# Altium PCB Thunder-Refix.PcbDoc
Units mil, origin at the board's own origin, x right, y up, seen from the top; angles counter-clockwise.
Board outline 1535.43 x 1299.21 mil, 2 copper layers (Top Layer, Bottom Layer), stack 42.17 mil thick; 66 components, 66 nets, 309 pads, 73 vias.
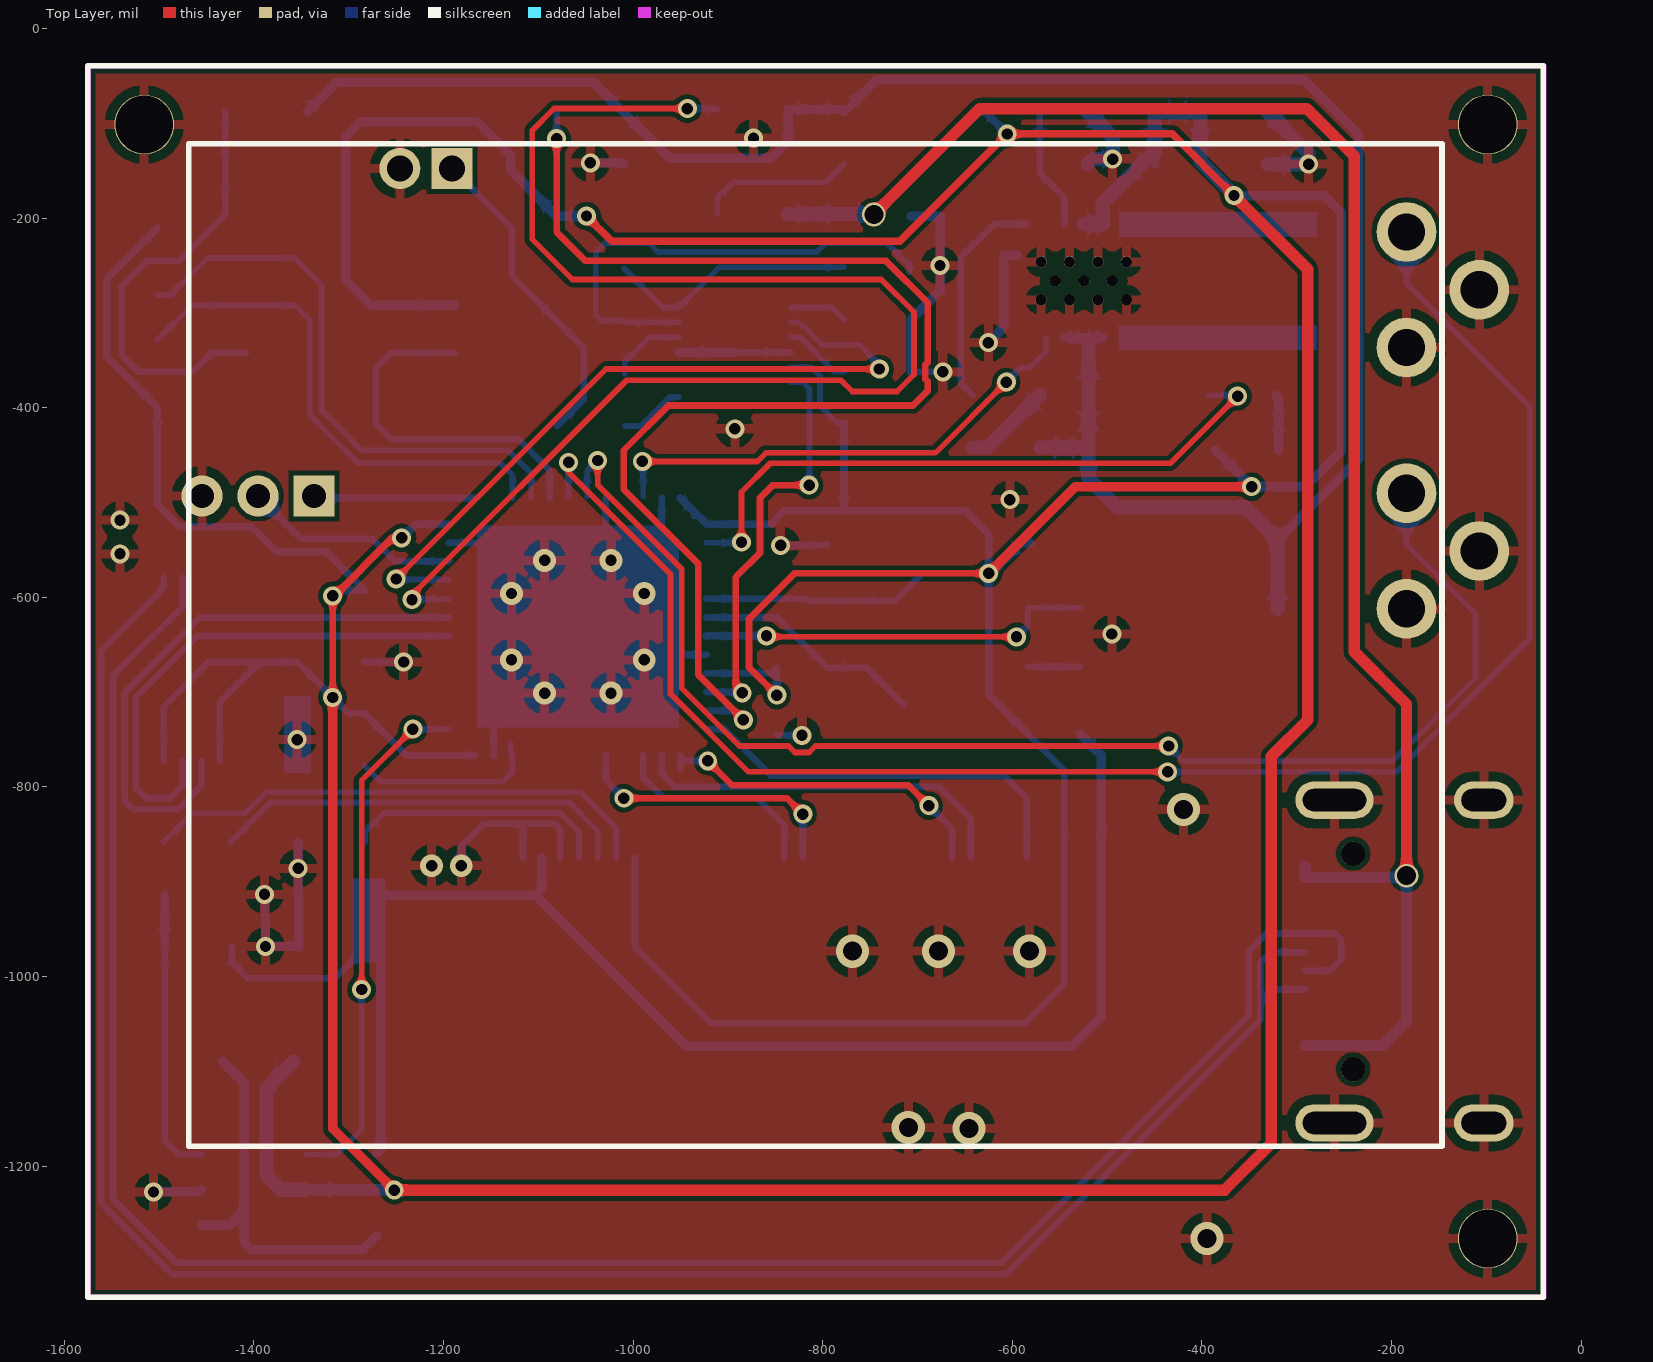
[diagram p0: Top Layer view]
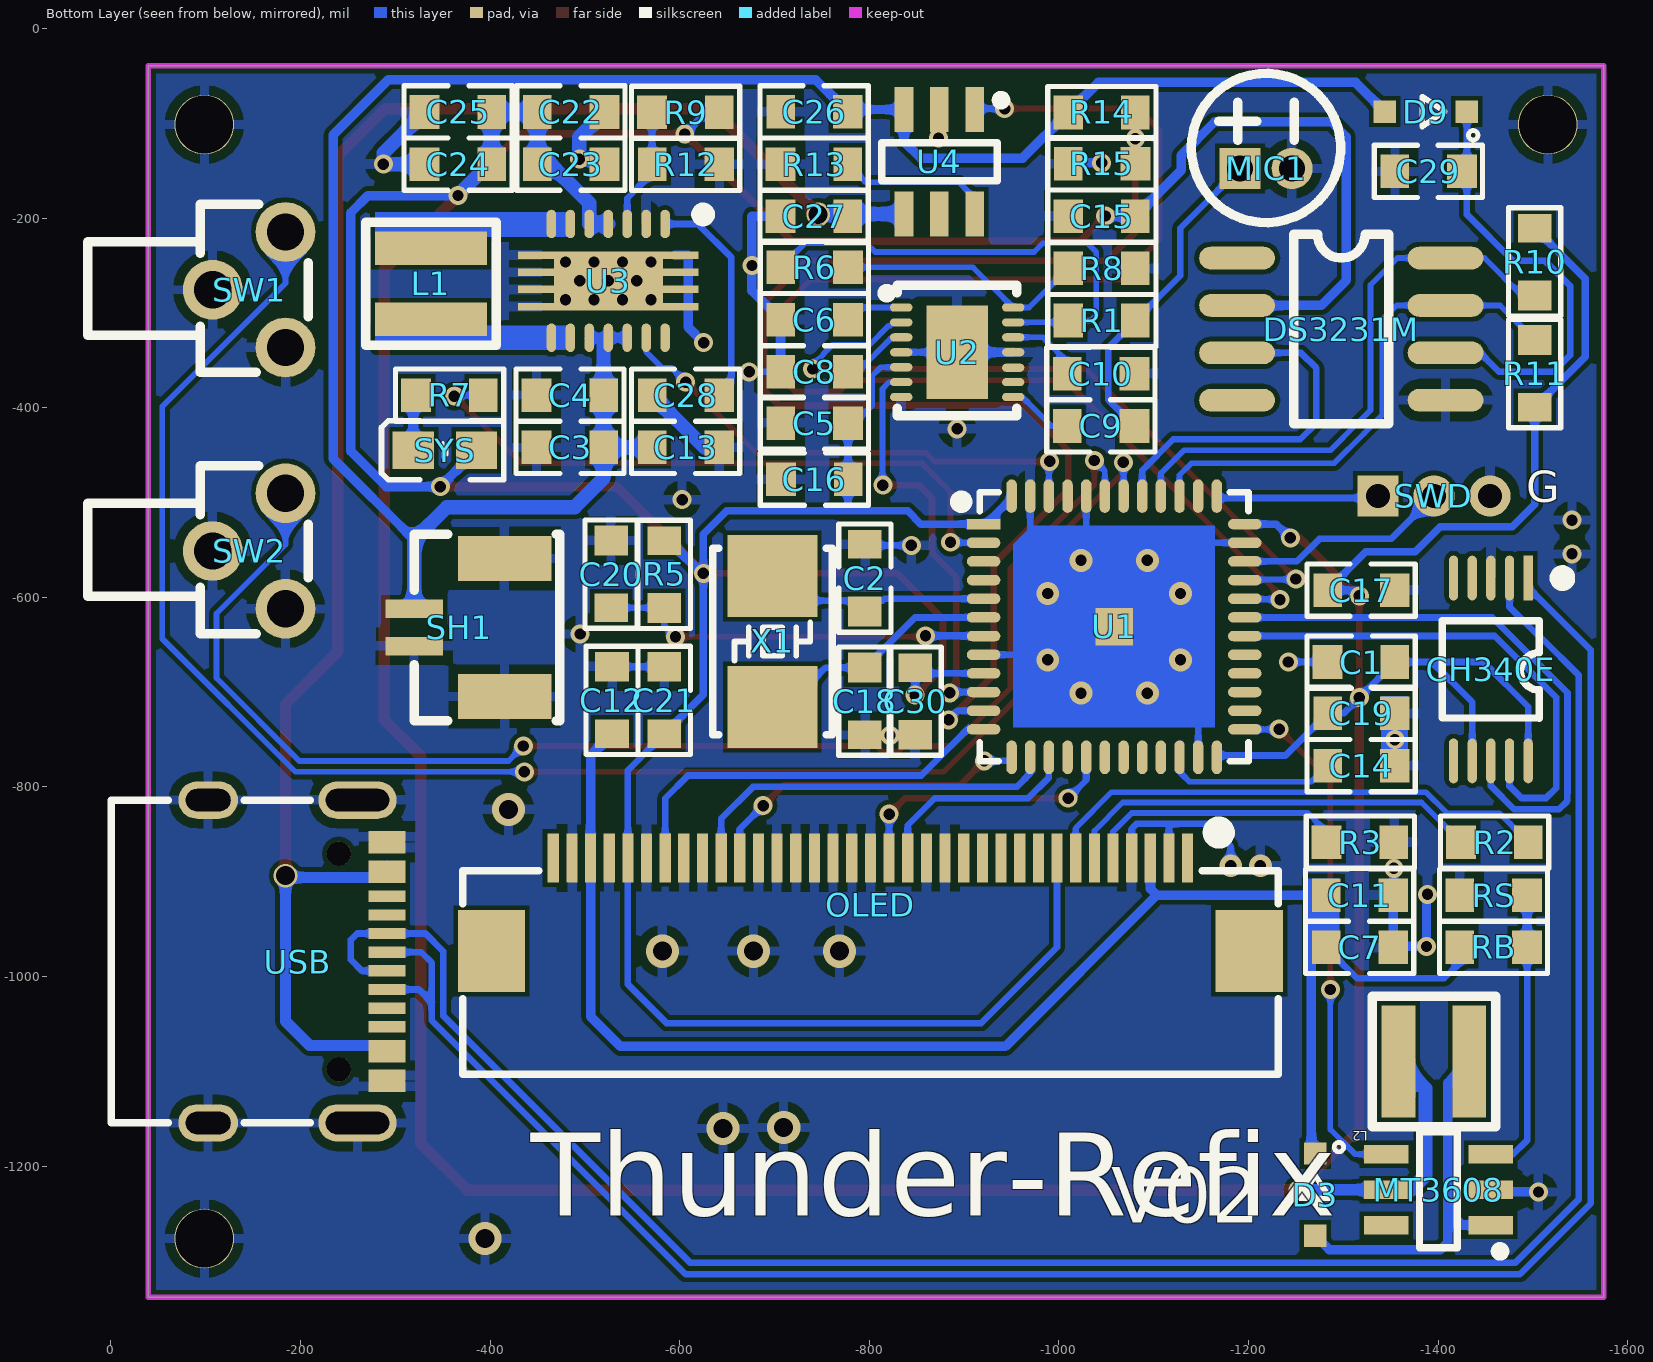
[diagram p1: Bottom Layer view, seen from below]
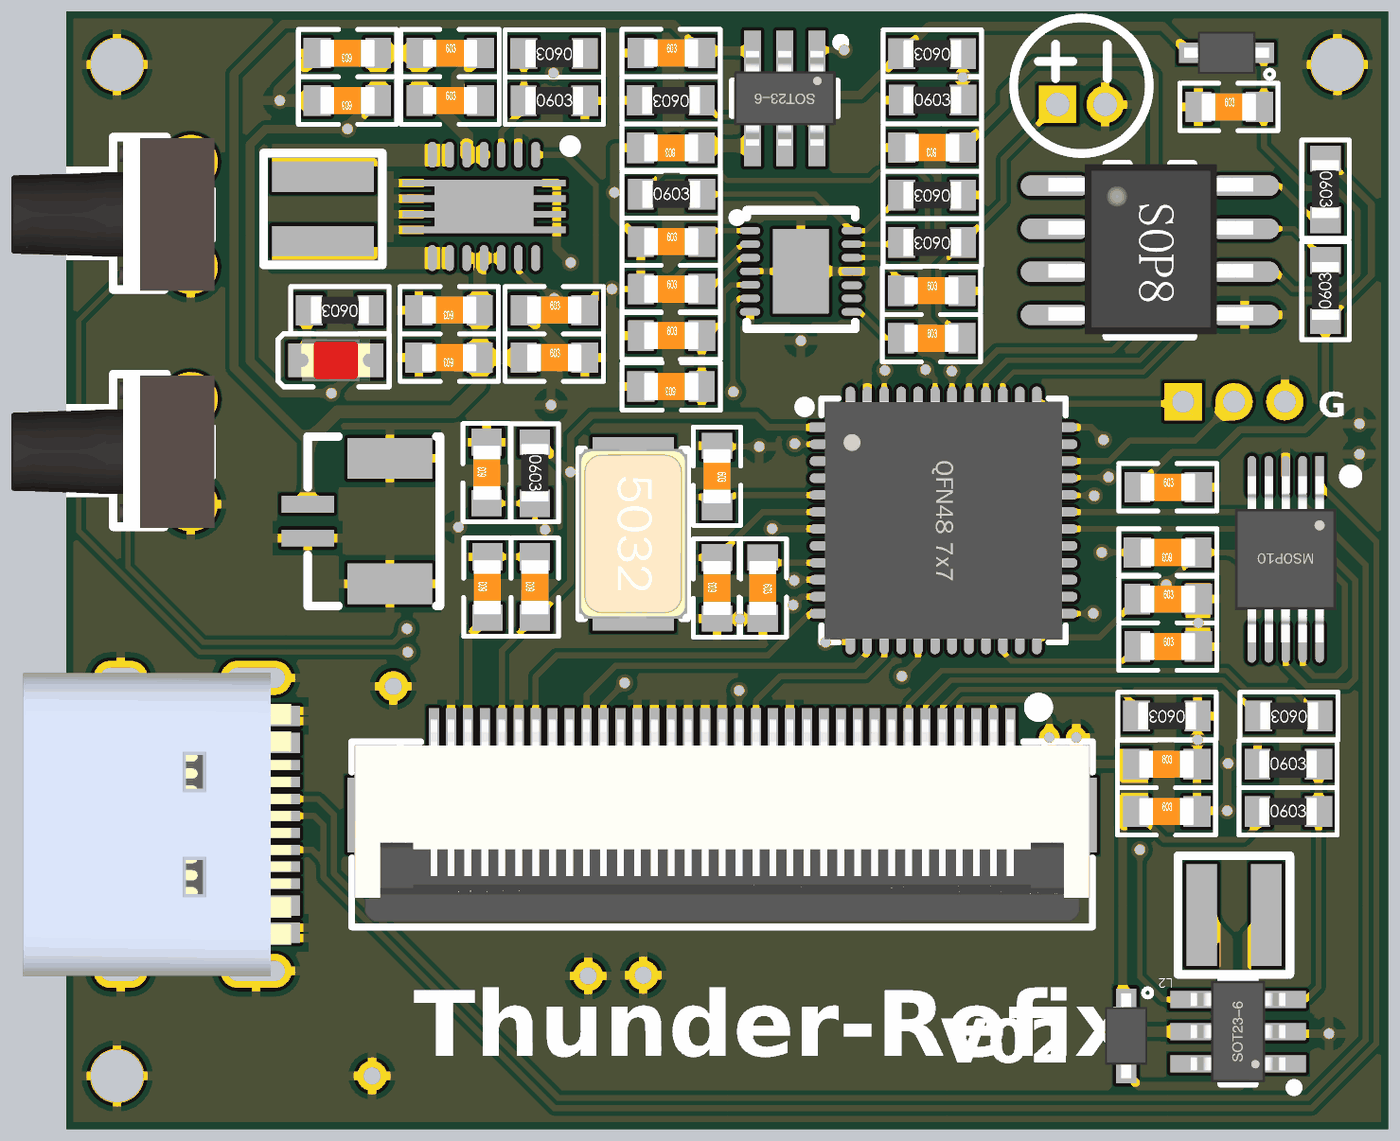
[diagram p2: 3D render of the assembled board from below, using the file's embedded part models]

## Layer stack, top to bottom
Top Solder: solder mask 0.4, Solder Resist, Dk 3.5
Top Layer: signal copper 1.4
Dielectric 1: dielectric 39.3701, FR-4, Dk 4.8
Bottom Layer: signal copper 1.4
Bottom Solder: solder mask 0.4, Solder Resist, Dk 3.5

## Board outline
-1574.8,-1338.58 -1574.8,-39.37 -39.37,-39.37 -39.37,-1338.58

## Design rules (kind name [scope] priority, off if disabled: settings)
Clearance [All] p1: gap=5 ignorepadtopadclearanceinfootprint=FALSE except(0: Arc-Hole Track-Hole SMDPad-Hole THPad-Hole Via-Hole Fill-Hole Poly-Hole Region-Hole Text-Hole)
ComponentClearance [All] p1 off: gap=10 collisioncheckmode=3 verticalgap=10 showdistances=FALSE
Height [All] p1 off: minheight=0 maxheight=1000 prefheight=500
PolygonConnect [All] p1: connectstyle=Relief reliefconductorwidth=10 reliefentries=4 polygonreliefangle="90 Angle" airgapwidth=10
RoutingVias [All] p1: holewidth=28 width=50 viastyle="Through Hole" minholewidth=28 minwidth=50 maxholewidth=28 maxwidth=50
SolderMaskExpansion [All] p1: expansion=4
Width [All] p1: maxlimit=40 minlimit=6 preferedwidth=10 bottomlayer_maxwidth=15 minimp=50.000000 maximp=50.000000 favimp=50.000000
28 further rules are at their usual default settings.

## Components (designator, comment, footprint, x,y, rotation, side; value= is the part's Value field where it differs from the comment)
C1 "0.1u" 0603C -1318.9,-668.31 r0 bottom
C2 "20P" 0603C -795.28,-579.72 r270 bottom
C3 "106" 0603c -484.25,-441.93 r0 bottom
C4 "106" 0603c -484.25,-386.81 r0 bottom
C5 "220nF" 0603c -742.12,-416.33 r180 bottom
C6 "100nF" 0603c -742.12,-307.08 r180 bottom
C7 "104" 0603C -1317.29,-969.23 r180 bottom
C8 "220nF" 0603c -742.12,-362.19 r180 bottom
C9 "100nF" 0603c -1044.29,-419.28 r180 bottom
C10 "470nF" 0603c -1044.29,-364.16 r180 bottom
C11 "4.7uF" 0603C -1317.29,-914.23 r180 bottom
C12 "4.7uF" 0603C -528.54,-708.66 r90 bottom
C13 "106" 0603c -606.3,-441.93 r180 bottom
C14 "4.7u" 0603C -1318.86,-777.56 r180 bottom
C15 "0.1u" 0603C -1045.28,-197.83 r0 bottom
C16 "104" 0603C -742.13,-475.39 r0 bottom
C17 "104" 0603C -1318.9,-592.52 r180 bottom
C18 "20P" 0603C -795.28,-709.65 r90 bottom
C19 "104" 0603C -1318.86,-722.44 r180 bottom
C20 "104" 0603C -527.7,-575.62 r90 bottom
C21 "105" 0603C -583.66,-708.66 r90 bottom
C22 "106" 0603C -485.24,-88.03 r180 bottom
C23 "22uf" 0603C -485.24,-143.14 r180 bottom
C24 "22uf" 0603C -366.14,-143.14 r0 bottom
C25 "104" 0603C -366.14,-88.03 r0 bottom
C26 "10uF" 0603c -741.87,-87.87 r180 bottom
C27 "1uF" 0603c -741.87,-198.11 r0 bottom
C28 "104" 0603c -606.3,-386.81 r180 bottom
C29 "106" 0603c -1389.76,-150.59 r180 bottom
C30 "104" 0603C -848.43,-709.65 r270 bottom
CH340E "CH340E" MSOP10_L -1455.71,-676.18 r0 bottom
D3 "SS14" SOD323_1N4148WS -1270.4,-1230.06 r270 bottom
D9 "SS14" SOD323_1N4148WS -1387.1,-87.6 r0 bottom
DS3231M "DS3231M" SOP8 -1188.98,-241.14 r180 bottom
L1 "1.5uH" IND-SMD_L3.0-W3.0_NR3010 -337.6,-269.13 r90 bottom
L2 "22uH" IND-SMD_L3.0-W3.0_NR3010 -1395.67,-1089.64 r0 bottom
MIC1 "GMI4015P-2C-56DB" MIC-TH_BD4.0-P2.00-D0.4-L-FD -1218.5,-147.64 r180 bottom
MT3608 "MT3608" SOT23-6N -1400.4,-1225.06 r90 bottom
OLED "FPC1.0-35P" "1.69 OLED" -801.18,-924.21 r0 top
R1 "2.2K" 0603r -1045.27,-308.06 r0 bottom
R2 "10K" 0603R -1459.65,-858.27 r0 bottom
R3 "68K" 0603R -1317.91,-858.27 r0 bottom
R5 "10K" 0603R -583.66,-575.79 r270 bottom
R6 "150K" 0603r -742.12,-251.96 r180 bottom
R7 "3K" 0603R -357.28,-386.81 r0 bottom
R8 "100K" 0603r -1045.27,-252.94 r0 bottom
R9 "1M" 0603R -606.3,-88.39 r0 bottom
R10 "4.7K" 0603R -1501.97,-246.06 r270 bottom
R11 "4.7K" 0603R -1501.97,-364.17 r90 bottom
R12 "180K" 0603r -606.3,-143.32 r180 bottom
R13 "1.5K" 0603r -741.87,-142.99 r0 bottom
R14 "50K" 0603r -1045.28,-88.58 r0 bottom
R15 "50K" 0603r -1045.26,-142.67 r180 bottom
RB "150K" 0603R -1458.51,-969.23 r180 bottom
RS "6.8K" 0603R -1458.51,-914.23 r180 bottom
SH1 "SH1.0-2P" SH1.0-2P -398.62,-631.89 r90 bottom
SW1 "K2-1109DE-H4SW-04" KEY-TH_K2-1109DE-CXXW-XX -145.67,-275.59 r270 bottom
SW2 "K2-1109DE-H4SW-04" KEY-TH_K2-1109DE-CXXW-XX -145.67,-551.18 r270 bottom
SWD "HDR-1X3" ZH1.5-LI-3P -1395.67,-493.11 r180 bottom
SYS "粉色" 0603LED -352.36,-444.88 r0 bottom
U1 "STM32F401CCU6" "QFN48 7X7_N" -1058.35,-631.08 r270 bottom
U2 "MAX9814ETD+T" TDFN-14_L3.0-W3.0-P0.40-BL-EP -892.71,-341.53 r270 bottom
U3 "TPS63020" TPS63020 -524.61,-266.17 r0 bottom
U4 "TP4059" SOT23-6N -873.95,-140.55 r0 bottom
USB "Type-C" Type-C -196.85,-984.25 r0 bottom
X1 "1.6.1.01.005.001" "OSC 5032-2P" -697.83,-646.65 r270 bottom value=8MHz

## Footprints (in the part's own frame and the unit in brackets; to place one, negate y for a bottom-side part, rotate by r counter-clockwise, add the part's x,y. Pads: shape width x height; smd on the part's side, far side on the other; paste and mask are expansions set on the pad)
"1.69 OLED" [mm]
  rect 1.8x2.2 smd far side: 0(-10.15,-1.248) 0(10.15,-1.248)
  rect 0.3x1.3 smd far side: 1(-8.5,1.248) 2(-8,1.248) 3(-7.5,1.248) 4(-7,1.248) 5(-6.5,1.248) 6(-6,1.248) 7(-5.5,1.248) 8(-5,1.248) 9(-4.5,1.248) 10(-4,1.248) 11(-3.5,1.248) 12(-3,1.248) 13(-2.5,1.248) 14(-2,1.248) 15(-1.5,1.248) 16(-1,1.248) 17(-0.5,1.248) 18(0,1.248) 19(0.5,1.248) 20(1,1.248) 21(1.5,1.248) 22(2,1.248) 23(2.5,1.248) 24(3,1.248) 25(3.5,1.248) 26(4,1.248) 27(4.5,1.248) 28(5,1.248) 29(5.5,1.248) 30(6,1.248) 31(6.5,1.248) 32(7,1.248) 33(7.5,1.248) 34(8,1.248) 35(8.5,1.248)
  silkscreen extent -19.66,-10.52 19.34,22.48, body extent -10.85,-4.4 10.85,1.6, height 2
0603C [mm]
  rect 0.762x0.9 smd: 1(-0.9,0)
  rect 0.8x0.9 smd: 2(0.9,0)
  silkscreen extent -1.45,-0.7 1.45,0.7, body extent -0.8,-0.4 0.8,0.4, height 0.3
0603c [mm]
  rect 0.762x0.9 smd: 1(-0.9,0)
  rect 0.8x0.9 smd: 2(0.9,0)
  silkscreen extent -1.45,-0.7 1.45,0.7, body extent -0.8,-0.4 0.8,0.4, height 0.3
0603LED [mm]
  rect 1.1x1 smd: 1(-0.85,0) 2(0.85,0)
  silkscreen extent -1.57,-0.79 1.7,0.79, body extent -1.01,-0.62 1.01,0.63, height 1.1
0603r [mm]
  rect 0.762x0.9 smd: 1(-0.9,0)
  rect 0.8x0.9 smd: 2(0.9,0)
  silkscreen extent -1.45,-0.7 1.45,0.7, body extent -0.85,-0.4 0.85,0.4, height 0.56
0603R [mm]
  rect 0.762x0.9 smd: 1(-0.9,0)
  rect 0.8x0.9 smd: 2(0.9,0)
  silkscreen extent -1.45,-0.7 1.45,0.7, body extent -0.85,-0.4 0.85,0.4, height 0.56
IND-SMD_L3.0-W3.0_NR3010 [mm]
  rect 0.9x3 smd: 1(-0.95,0) 2(0.95,0)
  silkscreen extent -1.65,-1.75 1.65,1.75
KEY-TH_K2-1109DE-CXXW-XX [mm]
  round 1.6 hole 1: 1(-1.549,0.975) 2(1.549,0.975) 3(0,-0.975)
  silkscreen extent -2.29,-4.32 2.21,1.59, body extent -2.25,-4.32 2.25,1.68, height 4.59
MIC-TH_BD4.0-P2.00-D0.4-L-FD [mm]
  rect 1.1x1.1 hole 0.7: 1(-0.7,0)
  round 1.1 hole 0.7: 2(0.7,0)
  silkscreen extent -2,-1.45 2,2.55
MSOP10_L [mm] "塑封体长3mm，宽3mm，脚距0.5"
  rect 0.25x1.2 smd: 1(-1,-2.45)
  oval 0.25x1.2 smd: 2(-0.5,-2.45) 3(0,-2.45) 4(0.5,-2.45) 5(1,-2.45) 6(1,2.45) 7(0.5,2.45) 8(0,2.45) 9(-0.5,2.45) 10(-1,2.45)
  silkscreen extent -2.07,-2.6 1.3,1.3, body extent -1.5,-2.45 1.5,2.45, height 0.95
"OSC 5032-2P" [mm] "5mm*3.2mm*0.8mm(长*宽*高)"
  rect 2.2x2.4 smd: 1(-1.75,0) 2(1.75,0)
  silkscreen extent -2.5,-1.6 2.5,1.6, body extent -2.5,-1.6 2.5,1.6, height 0.86
"QFN48 7X7_N" [mm] "48脚，长x宽x高：7x7x1mm，脚距：0.5mm"
  rect 0.28x0.9 smd: 1(-2.75,-3.5)
  oval 0.28x0.9 smd: 2(-2.25,-3.5) 3(-1.75,-3.5) 4(-1.25,-3.5) 5(-0.75,-3.5) 6(-0.25,-3.5) 7(0.25,-3.5) 8(0.75,-3.5) 9(1.25,-3.5) 10(1.75,-3.5) 11(2.25,-3.5) 12(2.75,-3.5) 25(2.75,3.5) 26(2.25,3.5) 27(1.75,3.5) 28(1.25,3.5) 29(0.75,3.5) 30(0.25,3.5) 31(-0.25,3.5) 32(-0.75,3.5) 33(-1.25,3.5) 34(-1.75,3.5) 35(-2.25,3.5) 36(-2.75,3.5)
  oval 0.9x0.28 smd: 13(3.5,-2.75) 14(3.5,-2.25) 15(3.5,-1.75) 16(3.5,-1.25) 17(3.5,-0.75) 18(3.5,-0.25) 19(3.5,0.25) 20(3.5,0.75) 21(3.5,1.25) 22(3.5,1.75) 23(3.5,2.25) 24(3.5,2.75) 37(-3.5,2.75) 38(-3.5,2.25) 39(-3.5,1.75) 40(-3.5,1.25) 41(-3.5,0.75) 42(-3.5,0.25) 43(-3.5,-0.25) 44(-3.5,-0.75) 45(-3.5,-1.25) 46(-3.5,-1.75) 47(-3.5,-2.25) 48(-3.5,-2.75)
  rect 1x1 smd mask+0.051: 49(0,0)
  Top Layer region: -2.7,2.7 2.7,2.7 2.7,-2.7 -2.214,-2.7 -2.7,-2.214
  silkscreen extent -3.6,-4.25 3.6,3.6, body extent -3.51,-3.51 3.51,3.51, height 0.95
SH1.0-2P [mm]
  rect 0.5x1.55 smd: 1(0.5,2) 2(-0.5,2)
  rect 1.2x2.5 smd: GND(-1.85,-0.425) GND(1.85,-0.425)
  silkscreen extent -2.5,-1.9 2.5,2
SOD323_1N4148WS [mm]
  rect 0.6x0.6 smd: A(1.1,0) C(-1.1,0)
  silkscreen extent -1.4,-0.4 0.1,0.76, body extent -1.25,-0.62 1.25,0.63, height 0.9
SOP8 [mil]
  oval 80x24 smd: 1(-1,-1) 2(-1,-51) 3(-1,-101) 4(-1,-151) 5(219,-151) 6(219,-101) 7(219,-51) 8(219,-1)
  silkscreen extent 59,-176 159,24, body extent -9,-174 229,24, height 63
SOT23-6N [mm] "3x1.6x1.1mm(长宽高)"
  rect 0.5x1.2 smd: 1(-0.95,-1.4) 2(0,-1.4) 3(0.95,-1.4) 4(0.95,1.4) 5(0,1.4) 6(-0.95,1.4)
  silkscreen extent -1.78,-1.78 1.55,0.51, body extent -1.5,-1.4 1.5,1.4, height 1.15
TDFN-14_L3.0-W3.0-P0.40-BL-EP [mm]
  oval 0.22x0.6 smd: 1(-1.2,-1.5) 2(-0.8,-1.5) 3(-0.4,-1.5) 4(0.001,-1.5) 5(0.4,-1.5) 6(0.8,-1.5) 7(1.2,-1.5) 8(1.2,1.5) 9(0.8,1.5) 10(0.416,1.5) 11(0,1.5) 12(-0.4,1.5) 13(-0.8,1.5) 14(-1.2,1.5)
  rect 2.5x1.65 smd: 15(0,0)
  silkscreen extent -1.8,-2.01 1.7,1.6
TPS63020 [mil] "High Efficiency Single Inductor Buck-Boost Converter With 4-A Switches"
  oval 10x30 smd: 1(-60,-60) 2(-40,-60) 3(-20,-60) 4(0,-60) 5(20,-60) 6(40,-60) 7(60,-60) 8(60,60) 9(40,60) 10(20,60) 11(0,60) 12(-20,60) 13(-40,60) 14(-60,60)
  rect 50x7.87 smd: 15(-70,-27.17) 15(-70,-9.06) 15(-70,9.06) 15(-70,27.17) 15(70,-27.17) 15(70,-9.06) 15(70,9.06) 15(70,27.17)
  round 11.81 hole 11.81: 15(-45,-20) 15(-45,20) 15(-30,0) 15(-15,-20) 15(-15,20) 15(0,0) 15(15,-20) 15(15,20) 15(30,0) 15(45,-20) 15(45,20)
  rect 115x62.2 smd: 15(0,0)
  silkscreen extent -105,-75 -95,-65, body extent -85,-65 85,65, height 30
Type-C [mm]
  round 0.65 hole 0.65: 0(-1.105,-2.89) 0(-1.105,2.89)
  oval 1.6x1 hole 0.6 slot 1.2 at 0 deg: 1(2.395,4.325) 2(2.395,-4.325)
  oval 2.1x1 hole 0.6 slot 1.7 at 0 deg: 3(-1.605,-4.325) 4(-1.605,4.325)
  rect 1x0.3 smd: A1(-2.395,-3.35) A4(-2.395,-2.55) A5(-2.395,-1.25) A6(-2.395,-0.25) A7(-2.395,0.25) A8(-2.395,1.25) A9(-2.395,2.55) A12(-2.395,3.35) B1(-2.395,3.05) B4(-2.395,2.25) B5(-2.395,1.75) B6(-2.395,0.75) B7(-2.395,-0.75) B8(-2.395,-1.75) B9(-2.395,-2.25) B12(-2.395,-3.05)
  silkscreen extent -0.34,-4.33 4.99,4.33, body extent -2.63,-4.47 5.27,4.47, height 3.21
ZH1.5-LI-3P [mm] "长：6.0，宽：3.65，高：4.55"
  rect 1.1x1.1 hole 0.65: 1(-1.5,0)
  round 1.1 hole 0.65: 2(0,0) 3(1.5,0)

## Part data
C2 C7 C11 C12 C16 C17 C18 C19 C20 C21 C30: library part 电容
C3 C4 C13 C22 C23 C24 C25 C28 C29: library part cap, U=50V, 参数=Cap,0805,X7R,104K,50V,125C,
  C3 C4 C13 C22 C29: C=106
  C23 C24: C=22uf
  C25 C28: C=104
C5 C8: BOM_Manufacturer="Murata Electronics", BOM_Manufacturer Part=GCJ21BR71H224KA01L, BOM_Supplier=LCSC, BOM_Supplier Part=C354366, Contributor=LCSC, nameAlias=Capacitance, spicePre=C, spiceSymbolName=GCJ21BR71H224KA01L
C6 C9: BOM_Manufacturer=AVX, BOM_Manufacturer Part=FS055C104K4Z2A, BOM_Supplier=LCSC, BOM_Supplier Part=C444732, Contributor=LCSC, nameAlias=Capacitance, spicePre=C, spiceSymbolName=FS055C104K4Z2A
C10: BOM_LCSC Assembly=Yes, BOM_Manufacturer=SAMSUNG, BOM_Manufacturer Part=CL21B474KBFNNNE, BOM_Supplier=LCSC, BOM_Supplier Part=C13967, nameAlias=Capacitance, SMT Type=Basic, spicePre=C, spiceSymbolName=CL21B474KBFNNNE
C26: BOM_Manufacturer="Murata Electronics", BOM_Manufacturer Part=GRM21BB31C106KE15L, BOM_Supplier=LCSC, BOM_Supplier Part=C162317, Contributor=LCSC, nameAlias=Capacitance, spicePre=C, spiceSymbolName=GRM21BB31C106KE15L
C27: BOM_Manufacturer="Taiyo Yuden", BOM_Manufacturer Part=UMK212BJ105KG-T, BOM_Supplier=LCSC, BOM_Supplier Part=C319195, Contributor=LCSC, nameAlias=Capacitance, spicePre=C, spiceSymbolName=UMK212BJ105KG-T
D3 D9: library part 1N4148WS, "Diode Switching 75V 0.3A 2-Pin SOD-323 T/R", Package="S-0 Good-Ark", Availability=Unavailable, MF="ON Semiconductor", MP=1N4148WS, Price=None, SnapEDA_Link=https://www.snapeda.com/parts/1N4148WS/ON%20Semiconductor/view-part/?ref=snap
L1: library part "Inductor Iron 2", _Current=10A, _Accuracy=20%, _Comma=,, _Footprint=1040, _Name=IND, _Specification=IND,1040,1.5uH,10A,20%, _Value=1.5uH
L2: library part L-CDRH, "功率屏蔽电感", 学习资源=www.o
MIC1: BOM_Manufacturer=INGHAi, BOM_Manufacturer Part=GMI4015P-2C-56db, BOM_Supplier=LCSC, BOM_Supplier Part=C233299, Contributor=LCSC, spicePre=M, spiceSymbolName=GMI4015P-2C-56DB
MT3608: library part SX1308, "可调升压芯片", 学习资源=www.o
OLED: library part FPC-35P, "FPC连接器", BOM名称=FP, 学习资源=www.o
R1: BOM_Manufacturer=Tyohm, BOM_Manufacturer Part=RMC08052.2K1%N, BOM_Supplier=LCSC, BOM_Supplier Part=C325769, Contributor=LCSC, nameAlias="Resistance (Ohms)", spicePre=R, spiceSymbolName=RMC08052.2K1%N
R2 R3 R5 R7 R10 R11 RB RS: library part R, "贴片电阻", 学习资源=www.o
R6: BOM_Manufacturer=Tyohm, BOM_Manufacturer Part=RMC0805150K1%N, BOM_Supplier=LCSC, BOM_Supplier Part=C325765, Contributor=LCSC, nameAlias="Resistance (Ohms)", spicePre=R, spiceSymbolName=RMC0805150K1%N
R8: BOM_LCSC Assembly=Yes, BOM_Manufacturer="Stackpole Elec", BOM_Manufacturer Part=RTAN0805BKE100K, BOM_Supplier=LCSC, BOM_Supplier Part=C346756, Contributor=LCSC, nameAlias="Resistance (Ohms)", SMT Type=Extend, spicePre=R, spiceSymbolName=RTAN0805BKE100K
R9 R12: library part Res, P=1/8W, 参数=Res,0805,0R,±1%,1/8W,100pp
  R9: R=1M
  R12: R=180K
R13: BOM_Manufacturer=YAGEO, BOM_Manufacturer Part=RC0603FR-071K5L, BOM_Supplier=LCSC, BOM_Supplier Part=C114668, nameAlias="Resistance (Ohms)", spicePre=R, spiceSymbolName=RC0603FR-071K5L
R14 R15: library part 1.5K, BOM_Manufacturer=YAGEO, BOM_Manufacturer Part=RC0603FR-071K5L, BOM_Supplier=LCSC, BOM_Supplier Part=C114668, nameAlias="Resistance (Ohms)", spicePre=R, spiceSymbolName=RC0603FR-071K5L
SW1 SW2: BOM_Manufacturer=º«¹, BOM_Manufacturer Part=K2-1109DE-H4SW-04, BOM_Supplier=LCSC, BOM_Supplier Part=C961730, Contributor=LCSC, spicePre=S, spiceSymbolName=K2-1109DE-H4SW-04
SWD: library part "Header 3", "3P接插件", BOM名称=3, 学习资源=www.o
SYS: library part LED-F234, "方形LED", 学习资源=www.o
U1: BOM_Manufacturer=ST, BOM_Manufacturer Part=STM32F401CCU6, BOM_Supplier=LCSC, BOM_Supplier Part=C79861, spicePre=U, spiceSymbolName=STM32F401CCU6, subpart_no=1, tags=STM32
U2: BOM_Manufacturer=MAXIM, BOM_Manufacturer Part=MAX9814ETD+T, BOM_Supplier=LCSC, BOM_Supplier Part=C41714, image=//image.lceda.cn/szlcsc/C41714.jpg, spicePre=U, spiceSymbolName=MAX9814ETD+T
U4: BOM_LCSC Assembly=Yes, BOM_Manufacturer=TOPPOWER, BOM_Manufacturer Part=TP4059, BOM_Supplier=LCSC, BOM_Supplier Part=C80364, SMT Type=Extend, spicePre=U, spiceSymbolName=TP4059
X1: "XTAL,8MHz,±20PPM,12.6*4.5", K3 No.=1.6.1.01.005.001
C1 C14 C15: Contributor=LCEDA_Lib, nameAlias=Value(F), spicePre=C, spiceSymbolName=C_0402_US
SH1: Contributor=perry2867, spicePre=J, spiceSymbolName=SH1.0-2P

## Free pads (board coordinates)
  round 63 hole 61: 0(-1515.75,-101.38) 0(-98.43,-101.38) 0(-98.43,-1276.57)

## Via types
v1: diameter 20, hole 12, Top Layer to Bottom Layer, tented both sides, 54 vias
v2: diameter 24, hole 12, Top Layer to Bottom Layer, 10 vias
v3: diameter 35, hole 20, Top Layer to Bottom Layer, 7 vias
v4: diameter 25, hole 20, Top Layer to Bottom Layer, 2 vias

## Nets (pads, with @x,y where several pads share a name; then routed paths per layer and width w, separated by ;. In a path a pad name is that pad's centre, name@x,y a point inside that pad or via, vN(x,y) a via of type N, cw(c..) or ccw(c..) an arc to the next point about the centre after c; other vN are vias at no path point)
3.3: C1.1 C5.2 C15.1 C16.1 C17.1 C19.1 C21.1 C22.1 C23.1 C24.1 C25.1 C30.1 CH340E.7 CH340E.10 DS3231M.2 L2.2 MT3608.5 OLED.8 OLED.31 R5.1 R9.1 R10.1 R11.1 SYS.1 U1.1 U1.9 U1.24 U1.36 U1.48 U2.5 U3.4 U3.5 | length 9028.5
  Top Layer w7: v1(-1316.93,-705.71) -1316.93,-600.39 v1(-1316.93,-598.43) ; v1(-848.43,-703.26) -877.75,-673.93 -877.75,-622.83 -829.72,-574.8 v1(-625,-574.8)
  Top Layer w8: v1@-1316.93,-600.39 -1253.94,-537.4 v1(-1244.09,-537.4) ; v1(-1049.21,-197.83) -1022.64,-224.41 -718.5,-224.41 v1(-605.31,-111.22) -431.1,-111.22 v1(-366.14,-176.18)
  Top Layer w10: v1(-1316.93,-705.71) -1316.93,-1160.43 v1(-1251.97,-1225.39) ; v1(-625,-574.8) -533.46,-483.27 v1(-347.44,-483.27)
  Top Layer w12: v1(-1251.97,-1225.39) -375.98,-1225.39 -326.77,-1176.18 -326.77,-767.72 -288.39,-729.33 -288.39,-253.94 v1(-366.14,-176.18)
  Bottom Layer w6: U2.5 -812,-357.28 -802.85,-366.43 -802.85,-397.93 -784.44,-416.33 C5.2
  Bottom Layer w7: CH340E.10 -1495.08,-715.55 -1447.83,-668.31 -1393.7,-668.31 ; CH340E.7 -1436.02,-710.63 -1393.7,-668.31 ; U1.24@-1166.65,-766.88 -1238.98,-766.88 C19.1 -1300.2,-722.44 C1.1 -1393.7,-668.31 ; OLED.8 -998.03,-969.23 -918.05,-1049.21 -586.08,-1049.21 -545.28,-1008.41 OLED.31 -545.28,-782.48 C21.1 ; U1.9@-922.55,-680.28 -854.49,-680.28 C30.1 v1(-848.43,-703.26)
  Bottom Layer w8: R10.1 -1555.12,-263.78 -1555.12,-346.46 R11.1 -1501.97,-501.78 -1478.16,-525.59 -1402.56,-525.59 -1375.98,-552.17 -1323.82,-552.17 C17.1 -1311.02,-592.52 v1(-1316.93,-598.43) ; v1(-1244.09,-537.4) -1229.47,-522.78 U1.36@-1194.15,-522.78 ; U1.48@-950.05,-495.28 -922.55,-522.78 -854.47,-522.78 -840.55,-508.86 -649.61,-508.86 -625,-533.46 v1(-625,-574.8) -625,-702.76 C21.1 ; -777.56,-504.12 C16.1 C5.2 ; R9.1 -628.15,-88.39 v1(-605.31,-111.22)
  Bottom Layer w10: DS3231M.2 -1276.76,-292.14 -1303.15,-265.75 -1303.15,-114.17 -1287.4,-98.43 -1164.37,-98.43 -1128.94,-133.86 -1128.94,-149.61 C15.1 v1(-1049.21,-197.83) ; v1(-625,-574.8) -624.02,-575.79 -590.55,-542.32 -581.69,-542.32 R5.1 ; C23.1 C23.1@-449.8,-129.36 ; C24.1 C24.1@-401.57,-140.19 ; SYS.1 v1(-347.44,-483.27) -290.35,-483.27 -252.95,-445.87 -252.95,-194.32 -271.1,-176.18 v1@-365.58,-176.18
  Bottom Layer w12: MT3608.5 v1@-1251.97,-1225.06
  Bottom Layer w15: L2.2 -1386.81,-1118.18 -1386.81,-1209.65 -1371.4,-1225.06 MT3608.5 ; U3.4 U3.5 -504.61,-184.17 -449.8,-129.36 C22.1 C25.1 -401.57,-140.19 v1@-365.58,-176.18
5V: C27.1 U4.4 USB.A4 USB.A9 USB.B4 USB.B9 | length 1837.5
  Top Layer w12: v4(-746.06,-196.17) -634.34,-84.45 -289.37,-84.45 -239.17,-134.65 -239.17,-657.48 -184.07,-712.58 v4(-184.07,-893.7)
  Bottom Layer w12: USB.B4 -209.65,-1072.83 -184.07,-1047.26 v4(-184.07,-893.7) -186.04,-895.67 USB.B9 USB.A4
  Bottom Layer w15: U4.4 -746.57,-195.67 v4(-746.06,-196.17)
AR: U2.9
BAT: C3.1 C4.1 C13.1 C26.2 D9.A R14.2 SH1.1 U3.10 U3.11 U3.12 U4.3 | length 2239
  Bottom Layer w10: D9.A -1313,-56.81 -1041.61,-56.81 R14.2 -961.71,-136.71 -854.23,-136.71 -836.55,-119.03 U4.3 -779.74,-85.43 C26.2 -743.56,-54.13 -292.32,-54.13 -234.25,-112.2 -234.25,-453.74 -319.88,-539.37 ; U3.12 U3.11 ; U3.11@-519.68,-331.1 U3.11 ; U3.10 U3.11
  Bottom Layer w15: C13.1 C3.1 ; U3.11@-519.68,-331.1 C4.1 C3.1 ; SH1.1 -319.88,-539.37 -354.33,-504.92 -489.17,-504.92 -519.68,-474.41 C3.1
BATDET: R14.1 R15.2 U1.11 | length 1396.6
  Top Layer w7: v1@-1080.71,-114.17 v1(-1080.71,-116.14) -1080.71,-214.57 -1050.2,-245.08 -733.27,-245.08 -688.98,-289.37 -688.98,-351.77 -691.76,-354.56 -691.76,-369.89 -688.98,-372.67 -688.98,-381.89 -704.72,-397.64 -962.6,-397.64 -1009.84,-444.88 -1009.84,-486.22 -931.1,-564.96 -931.1,-681.88 v1(-883.65,-729.33)
  Bottom Layer w7: R15.2 R14.1 ; U1.11 -893.32,-719.66 v1(-883.65,-729.33)
CHGLED: U1.32 U4.1 | length 1501.7
  Top Layer w6: v1(-1233.3,-602.49) -1233.3,-597.61 -1006.76,-371.06 -780.51,-371.06 -768.7,-382.87 -721.46,-382.87 -703.74,-365.16 -703.74,-299.21 -738.19,-264.76 -1063.98,-264.76 -1106.3,-222.44 -1106.3,-107.28 -1083.46,-84.45 v1(-942.85,-84.45)
  Bottom Layer w6: v1(-1233.3,-602.49) -1232.84,-602.04 -1194.6,-602.04 U1.32@-1194.15,-601.58
  Bottom Layer w7: v1@-941.86,-85.43 v1(-942.85,-84.45) -912.34,-84.45 U4.1
D+: CH340E.1 USB.A6 USB.B6 | length 2217.1
  Bottom Layer w7: CH340E.1 -1495.08,-589.57 -1524.61,-619.09 -1561.02,-655.51 -1561.02,-1239.41 -1486.27,-1314.17 -606.25,-1314.17 -338.39,-1046.31 -338.39,-1027.37 ; USB.B6 -324.8,-1013.78 -338.39,-1027.37 ; USB.A6 -327.38,-974.41 -338.39,-985.43 -338.39,-1027.37
D-: CH340E.2 USB.A7 USB.B7 | length 2259.9
  Bottom Layer w7: CH340E.2 -1475.39,-610.33 -1507.78,-642.72 -1508.86,-642.72 -1548.61,-682.46 -1548.61,-1234.86 -1481.3,-1302.17 -611.22,-1302.17 -350.39,-1041.34 -350.39,-973.43 -331.69,-954.72 USB.B7 -259.84,-954.72 -252.95,-961.61 -252.95,-982.28 -264.76,-994.09 USB.A7
DSINT: DS3231M.3 U1.41 | length 382
  Bottom Layer w7: DS3231M.3 -1255.53,-342.14 -1271.65,-358.27 -1271.65,-416.34 -1254.61,-433.38 -1120.57,-433.38 -1087.85,-466.1 U1.41@-1087.85,-495.28
DSSCL: DS3231M.8 R10.2 U1.40 | length 608.2
  Bottom Layer w6: R10.2 -1488.32,-281.5 -1448.97,-242.14 DS3231M.8 -1357.17,-242.14 -1328.64,-270.67 -1328.64,-402.7 -1313.98,-417.36 -1286.46,-444.88 -1131.89,-444.88 -1107.55,-469.22 U1.40@-1107.55,-495.28
DSSDA: DS3231M.7 R11.2 U1.39 | length 547.1
  Bottom Layer w6: R11.2 -1465.37,-292.14 DS3231M.7 -1356.3,-292.14 -1341.14,-307.3 -1341.14,-407.87 -1321.85,-427.17 -1290.35,-458.66 -1139.76,-458.66 -1127.25,-471.18 U1.39@-1127.25,-495.28
Gain: U2.10
GND: C1.2 C2.1 C3.2 C4.2 C5.1 C6.1 C7.2 C8.1 C10.2 C11.2 C12.2 C13.2 C14.2 C15.2 C16.2 C17.2 C18.1 C19.2 C20.2 C21.2 C22.2 C23.2 C24.2 C25.2 C26.1 C27.2 C28.1 C29.1 C30.2 CH340E.3 DS3231M.5 MIC1.2 MT3608.2 OLED.2 OLED.4 OLED.14 OLED.15 OLED.18 OLED.19 OLED.20 OLED.21 OLED.22 OLED.23 OLED.24 OLED.27 OLED.28 OLED.30 OLED.32 OLED.34 pad.0 R3.1 R8.1 R12.2 R13.2 R15.1 RS.1 SH1.2 SH1.GND SW1.2 SW1.3 SW2.2 SW2.3 SWD.3 U1.8 U1.23 U1.35 U1.44 U1.47 U1.49 U2.4 U2.7 U2.11 U2.15 U3.2 U3.15 U4.2 USB.1 USB.2 USB.3 USB.4 USB.A1 USB.A12 USB.B1 USB.B12 | length 2214.5
  Bottom Layer w7: C1.2 v1(-1242.13,-668.31) ; U1.35@-1194.15,-542.48 -1146.95,-542.48 U1.49 ; v2(-1181.26,-883.15) -1181.26,-862.5 -1157.85,-839.09 -1118.58,-839.09 ; U1.23@-1146.95,-766.88 -1146.95,-719.68 U1.49 ; OLED.2 -1116.14,-841.54 -1118.58,-839.09 ; OLED.4 -1076.77,-844.02 -1081.7,-839.09 -1118.58,-839.09 ; U1.44@-1028.85,-495.28 -1028.85,-601.58 ; U1.47@-969.75,-495.28 -969.75,-542.48 -1028.85,-601.58 ; U1.8@-922.55,-660.58 -1028.85,-660.58 U1.49 ; U2.15 U2.15 U2.4 ; C30.2 -847.82,-745.68 v1(-821.85,-745.68) ; v1(-844.33,-545.28) -796.26,-545.28 C2.1 ; C8.1@-706.66,-362.22 v1(-673.26,-362.22) v1@-676.21,-359.27 ; C21.2 C12.2 ; U1.49 -1028.85,-601.58
  Bottom Layer w10: v1(-1505.91,-1227.36) -1457.83,-1227.36 MT3608.2 ; v1(-1388.87,-913.39) -1387.8,-914.46 v1(-1387.8,-968.37) -1353.58,-968.37 C7.2 C11.2 -1353.35,-913.6 R3.1 ; v1(-1045.14,-141.73) -1010.77,-141.73 R15.1 ; U2.11 U2.15 ; C8.1 C6.1 -676.21,-276.6 v1(-676.21,-250.01) -676.21,-198.11 C27.2 ; v1(-625.22,-331.45) -609.1,-315.33 -609.1,-239.01 U3.15@-594.61,-239.01
  Bottom Layer w15: C13.2 -625.98,-441.93 C28.1 ; C23.2 -515.32,-137.8 v1(-494.05,-137.8) -494.05,-114.64 C22.2 ; C24.2 v1(-287.4,-143.14) -287.4,-131.33 C25.2
  other v1: -1353.35,-885.94 -1354.33,-750.16 -494.98,-638.78 -1541.34,-554.13 -1541.34,-518.7 -602.52,-497.01 -892.72,-422.24 -873.03,-115.61
  other v2: -1212.6,-883.15 -1093.35,-701.08 -1023.35,-701.08 -1128.35,-666.08 -988.35,-666.08 -1128.35,-596.08 -988.35,-596.08 -1093.35,-561.08 -1023.35,-561.08
  other v3: -394.68,-1276.57 -645.59,-1160.43 -709.65,-1159.53 -768.7,-973.37 -677.7,-973.37 -581.7,-973.37 -419.29,-823.82
MICSHUTDN: U1.33 U2.2 | length 774.4
  Top Layer w6: v1(-1250.01,-580.68) -1028.57,-359.24 v1(-740.15,-359.24)
  Bottom Layer w6: v1(-1250.01,-580.68) -1249.41,-581.28 -1194.75,-581.28 U1.33@-1194.15,-581.88 ; U2.2 -825.46,-310.03 -822.04,-313.44 -820.59,-313.44 -800.27,-333.76 -761.21,-333.76 -751.32,-343.65 -751.32,-344.29 -740.15,-355.45 v1(-740.15,-359.24)
NetC6_2: C6.2 U2.1 | length 61.4
  Bottom Layer w6: U2.1 -790.35,-294.29 C6.2
NetC8_2: C8.2 U2.3 | length 71.2
  Bottom Layer w6: U2.3 -823.82,-325.78 -787.4,-362.19 C8.2
NetC9_1: C9.1 U2.8 | length 69.7
  Bottom Layer w6: C9.1 -992.03,-419.28 -961.52,-388.77 U2.8
NetC9_2: C9.2 MIC1.1 R1.1 | length 340.5
  Bottom Layer w7: MIC1.1 -1127.95,-210.63 -1127.95,-260.81 R1.1 -1052.16,-336.6 -1052.16,-391.72 C9.2
NetC10_1: C10.1 U2.12 | length 80.6
  Bottom Layer w6: C10.1 -1008.85,-351.51 -991.12,-333.78 -990.78,-333.78 -986.09,-329.09 -986.09,-328.74 -983.12,-325.78 U2.12
NetC28_2: C28.2 U3.1 | length 235.1
  Bottom Layer w7: C28.2 -654.53,-374.02 -654.53,-241.61 -619.09,-206.17 U3.1
NetC29_2: C29.2 D9.C DS3231M.6 | length 468.7
  Bottom Layer w7: D9.C -1430.4,-196.17 -1479.31,-245.08 -1512.8,-245.08 -1539.37,-271.65 -1539.37,-344.53 -1521.7,-362.19 -1464.56,-362.19 -1444.5,-342.14 DS3231M.6
NetD3_A: D3.A L2.1 MT3608.1 | length 401.2
  Bottom Layer w10: MT3608.1 -1425.85,-1262.46 -1410.43,-1247.05 ; L2.1 -1410.43,-1112.28 -1410.43,-1247.05 ; D3.A -1285.42,-1288.39 -1402.56,-1288.39 -1410.43,-1280.51 -1410.43,-1247.05
NetL1_1: L1.1 U3.8 U3.9
NetL1_2: L1.2 U3.6 U3.7
NetMT3608_3: MT3608.3 RB.2 RS.2 | length 303.2
  Bottom Layer w7: RB.2 -1493.94,-1172.94 -1479.22,-1187.66 MT3608.3
  Bottom Layer w9: RB.2 RS.2
NetOLED_5: OLED.5 R3.2 | length 280.3
  Bottom Layer w6: R3.2 -1282.48,-847.42 -1262.65,-827.59 -1076.93,-827.59 -1057.09,-847.44 OLED.5
NetOLED_6: OLED.6 R2.2 | length 445
  Bottom Layer w6: R2.2 -1382.54,-816.59 -1067.26,-816.59 -1037.4,-846.46 OLED.6
NetOLED_7: OLED.7 R2.1 | length 546.4
  Bottom Layer w6: R2.1 -1464.57,-827.76 -1409.26,-827.76 -1387.1,-805.59 -1055.63,-805.59 -1017.72,-843.5 OLED.7
NetR1_2: R1.2 R6.1 U2.13 | length 522.2
  Bottom Layer w6: U2.13 -1007.87,-310.03 R1.2 -1033.46,-308.06 -1039.37,-302.15 -1039.37,-235.83 -1029.92,-226.38 -983.13,-226.38 -973.68,-235.83 -806.2,-235.83 -796.62,-226.24 -732.4,-226.24 R6.1@-708.66,-249.99 ; R6.1@-708.66,-256.88 R6.1@-708.66,-249.99 ; R6.1@-708.66,-247.04 R6.1@-708.66,-249.99 ; R6.1 R6.1@-708.66,-249.99
NetR6_2: R6.2 R8.2 U2.14 | length 266.9
  Bottom Layer w6: R8.2 -968.49,-294.29 U2.14 -909.44,-251.96 R6.2
NetR7_2: R7.2 SYS.2 | length 59.3
  Bottom Layer w10: R7.2 -318.9,-389.76 SYS.2
NetR9_2: R9.2 R12.1 U3.3 | length 128.7
  Bottom Layer w7: R9.2 R12.1 -570.87,-152.87 -544.61,-179.13 U3.3
NetR13_1: R13.1 U4.6 | length 165.7
  Bottom Layer w6: U4.6 -911.35,-178.94 -894.62,-162.2 -796.52,-162.2 R13.1
NRST: C20.1 R5.2 U1.7 | length 419.1
  Top Layer w6: v1(-859.25,-640.65) -858.14,-641.76 v1(-595.5,-641.76)
  Bottom Layer w6: v1(-595.5,-641.76) -583.66,-629.92 R5.2 -583.49,-611.05 C20.1
  Bottom Layer w8: U1.7@-922.55,-640.88 -922.31,-640.65 v1(-859.25,-640.65)
OLEDCS: OLED.26 U1.14 | length 406.2
  Bottom Layer w7: U1.14@-969.75,-766.88 -969.75,-785.79 -955.53,-800.01 -677.35,-800.01 -643.7,-833.66 OLED.26
OLEDDC: OLED.25 U1.13 | length 355.6
  Top Layer w7: v1(-921.26,-772.64) -895.67,-798.23 -709.65,-798.23 v1(-687.99,-819.88)
  Bottom Layer w7: U1.13@-950.05,-781.25 U1.13@-950.05,-766.88 ; -944.29,-772.64 v1(-921.26,-772.64) ; v1(-687.99,-819.88) -663.39,-844.49 OLED.25
OLEDRST: OLED.29 U1.12 | length 431
  Bottom Layer w7: U1.12@-922.55,-739.38 -903.33,-739.38 -854.71,-788.01 -608.65,-788.01 -584.65,-812.01 OLED.29
OLEDSCK: OLED.16 U1.15 | length 227.5
  Bottom Layer w7: U1.15@-989.45,-766.88 -989.45,-790.08 -967.52,-812.01 -869.09,-812.01 -840.55,-840.55 OLED.16
OLEDSDA: OLED.17 U1.17 | length 295.2
  Top Layer w7: v1(-1009.84,-812.01) -837.6,-812.01 v1(-820.87,-828.74)
  Bottom Layer w7: U1.17@-1028.85,-766.88 -1028.85,-793 v1(-1009.84,-812.01) ; OLED.17 v1(-820.87,-828.74)
OLEDVPP: C7.1 C11.1 C12.1 D3.C OLED.3 OLED.33 RB.1 | length 1663
  Bottom Layer w7: RB.1 -1423.07,-985.39 -1406.5,-1001.97 -1314.59,-1001.97 C7.1
  Bottom Layer w10: D3.C -1266.42,-1182.76 -1266.42,-984.67 C7.1 C11.1 -1103.21,-914.23 ; OLED.3 -1096.46,-907.48 -1103.21,-914.23 ; C12.1 -505.91,-766.73 OLED.33 -505.91,-1042.32 -537.4,-1073.82 -943.62,-1073.82 -1103.21,-914.23
OSC32-IN: U1.3
OSC32-OUT: U1.4
OSC-IN: C2.2 U1.5 X1.1 | length 236.2
  Bottom Layer w7: U1.5@-922.55,-601.58 -815.93,-601.58 -813.98,-603.53 -723.61,-603.53 X1.1
OSC-OUT: C18.2 U1.6 X1.2 | length 246.2
  Bottom Layer w7: U1.6@-922.55,-621.28 -848.21,-621.28 C18.2 -753.94,-674.21 X1.2@-714.57,-713.58
OUT: U1.10 U2.6 | length 437.9
  Top Layer w7: v1(-884.84,-700.79) -891.73,-693.9 -891.73,-578.74 -866.14,-553.15 -866.14,-495.34 -852.48,-481.68 v1(-814.26,-481.68)
  Bottom Layer w6: U2.6 -820.86,-373.03 -813.85,-380.04 -813.85,-481.27 v1(-814.26,-481.68)
  Bottom Layer w7: U1.10@-922.55,-699.98 v1@-885.65,-699.98
PA6: U1.16
PA8: U1.29
PA9: CH340E.9 U1.30 | length 538.2
  Bottom Layer w7: CH340E.9 -1475.39,-799.21 -1488,-811.82 -1513.97,-811.82 -1524.61,-801.18 -1524.61,-705.71 -1459.78,-640.88 U1.30@-1194.15,-640.88
PA10: CH340E.8 U1.31 | length 610.7
  Bottom Layer w7: CH340E.8 -1455.71,-799.21 -1480.31,-823.82 -1527.37,-823.82 -1536.42,-814.77 -1536.42,-806.34 -1536.61,-806.15 -1536.61,-700.74 -1457.15,-621.28 U1.31@-1194.15,-621.28
PA15: U1.38
PB0: U1.18
PB1: U1.19
PB2: U1.20
PB6: SW1.1 U1.42 | length 1806
  Top Layer w6: v1(-1067.91,-457.68) -1067.91,-468.5 -960.63,-575.79 -960.63,-701.77 -878.21,-784.19 v1(-436.02,-784.19)
  Bottom Layer w6: U1.42 -1068.19,-457.95 v1(-1067.91,-457.68) ; v1(-436.02,-784.19) -194.62,-784.19 -54.13,-643.7 -54.13,-398.62 -184.07,-268.69 SW1.1
PB7: SW2.1 U1.43 | length 1455.5
  Top Layer w6: v1(-1037.4,-455.71) -1037.4,-481.3 -948.82,-569.88 -948.82,-695.87 -887.8,-756.89 -836.1,-756.89 -829.31,-763.68 -814.39,-763.68 -807.6,-756.89 v1(-435.04,-756.89)
  Bottom Layer w6: U1.43 -1048.51,-466.81 v1(-1037.4,-455.71) ; v1(-435.04,-756.89) -419.29,-772.64 -198.63,-772.64 -111.22,-685.23 -111.22,-617.13 -184.07,-544.28 SW2.1
PB8: U1.45
PB9: U1.46 U3.13 | length 525.4
  Top Layer w6: v1(-990.16,-456.69) -868.9,-456.69 -859.87,-447.66 -680.93,-447.66 v1(-606.3,-373.03)
  Bottom Layer w6: v1(-990.16,-456.69) -989.45,-457.4 U1.46 ; v1(-606.3,-373.03) -591.16,-357.9 -581.19,-357.9 -564.61,-341.31 U3.13
PB10: U1.21
PB12: MT3608.4 U1.25 | length 552.7
  Top Layer w6: v1(-1286.42,-1013.78) -1286.42,-793.31 v1(-1232.28,-739.17)
  Bottom Layer w6: MT3608.4 -1312.6,-1187.66 -1286.42,-1161.47 v1(-1286.42,-1013.78) ; v1(-1232.28,-739.17) -1232.07,-739.38 U1.25@-1194.15,-739.38
PB13: U1.26
PB14: U1.27
PB15: U1.28
PC13: R7.1 U1.2 | length 686.4
  Top Layer w6: v1(-885.65,-541.95) -885.65,-488.99 -855.31,-458.66 -433.07,-458.66 v1(-362.2,-387.8)
  Bottom Layer w6: U1.2@-922.55,-542.48 -886.18,-542.48 v1(-885.65,-541.95) ; R7.1 -363.19,-386.81 v1(-362.2,-387.8)
SWCLK: SWD.1 U1.37 | length 170.9
  Bottom Layer w7: SWD.1 -1334.44,-495.28 U1.37@-1166.65,-495.28
SWDIO: SWD.2 U1.34 | length 230.1
  Bottom Layer w7: SWD.2 -1350.39,-538.39 -1274.78,-538.39 -1250.98,-562.18 U1.34@-1194.15,-562.18
VCAP1: C14.1 U1.22 | length 197.6
  Bottom Layer w6: C14.1 -1266.39,-794.59 -1137.65,-794.59 -1127.25,-784.19 U1.22@-1127.25,-766.88 ; U1.22@-1129.22,-766.88 U1.22@-1129.22,-754.09
pads on no net: CH340E.4 CH340E.5 CH340E.6 DS3231M.1 DS3231M.4 MT3608.6 OLED.0 OLED.1 OLED.9 OLED.10 OLED.11 OLED.12 OLED.13 OLED.35 U3.14 U4.5 USB.0 USB.A5 USB.A8 USB.B5 USB.B8

## Polygon pours and split planes (outlines as drawn)
GND on Top Layer "Top Layer-No Net" (solid, remove dead copper, pour order 0): -1573.6,-42.03 -38.17,-42.03 -38.17,-1341.25 -1573.6,-1341.25
GND on Bottom Layer "Top Layer-No Net" (solid, remove dead copper, pour order 4): -1574.69,-36.83 -39.25,-36.83 -39.25,-1336.04 -1574.69,-1336.04

## Keep-outs
Keep-Out Layer:
  the board outline again, w6

## Other copper
Bottom Layer:
  region net NetL1_1: -278.54,-339.01 -278.54,-313.42 -488.19,-313.42 -488.19,-339.01
  region net NetL1_2: -278.54,-219.91 -278.54,-193.34 -487.2,-193.34 -487.2,-219.91
  rectangle net GND: -1368.11,-785.43 -1339.57,-704.09
  rectangle net OLEDVPP: -1296.26,-985.24 -1261.45,-896.65

## Silkscreen, mask and mechanical layers (free items; w line width, h text height)
Bottom Overlay:
  text "G" at -1493.11,-510.83 h57.09
  text "V02" at -1055.12,-1279.53 h100
  text "Thunder-Refix" at -442.91,-1281.5 h150